# Altium PCB AC_controller_v1_1.PcbDoc (part 2 of 2)
Units mm, origin at the board's own origin, x right, y up, seen from the top; angles counter-clockwise.
Board outline 100 x 100 mm, 2 copper layers (Top Layer, Bottom Layer), stack 1.671 mm thick; 108 components, 91 nets, 359 pads, 49 vias.
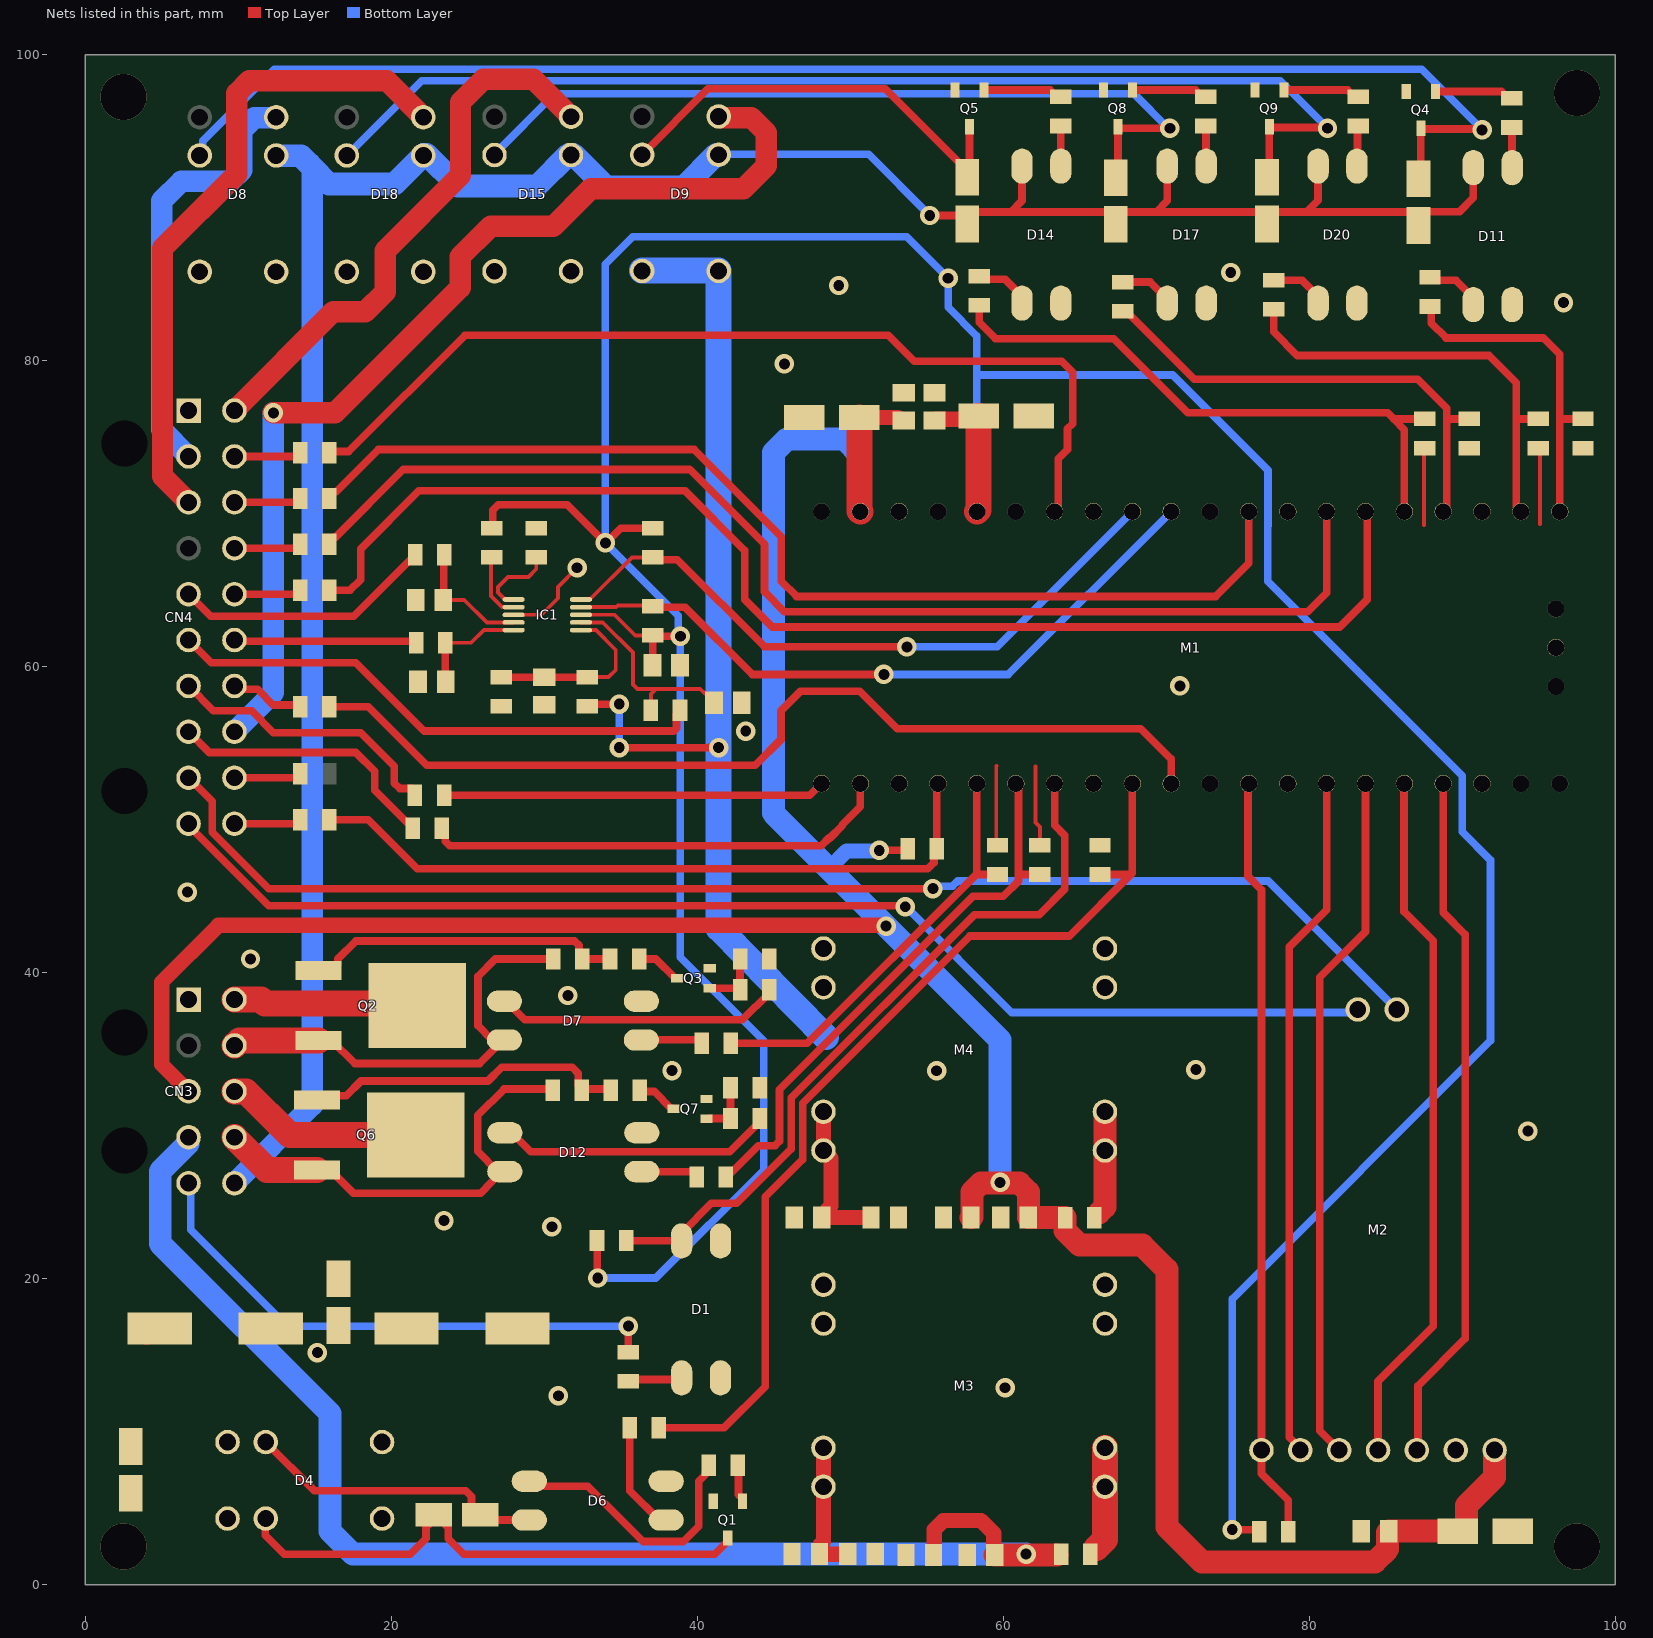
[diagram p2: the nets of this part, all layers, seen from the top]

## Part data
C1 C7 C8: library part 01_01399, "ELCO 20%", Manufacturer=Nichicon, Manufacturer PN=UWF1C100MCL1GB, Supplier Part Number 1=647-UWF1C100MCL1GB, Value1=10u, Value2=16V, AutoId=1399, ComponentLink1Description=Datasheet, ComponentLink1URL=X:\01_Datasheets\CAP_NICHICON_UWF1C100MCL1GB.pdf, DeviceType=capacitor, Id=01_01399, MountType=SMT, Status="2 - Checked and Approved", SubType=Electrolyte, Supplier 1=Farnell
C2 C3 C9 C10 C16 C18 C19 C20: library part 01_00637, "X7R 10% 0805", Manufacturer=KEMET, Manufacturer PN=C0805C104K9RACTU, Supplier Part Number 1=80-C0805C104K9R, Value1=100n, Value2=6V3, AutoId=637, ComponentLink1Description=Datasheet, ComponentLink1URL=X:\01_Datasheets\CAP_KEMET_CxxxxCxxxXxRAC.pdf, DeviceType=capacitor, Id=01_00637, MountType=SMT, Status="2 - Checked and Approved", SubType=Ceramic, Supplier 1=Farnell
C4 C5 C6 C21: library part 01_11496, Manufacturer=Hitano, Manufacturer PN=0805B105K160N3, Value1=1u, Value2=16V, Value3=X7R, AutoId=1562, ComponentLink1Description=Datasheet, ComponentLink1URL=X:\01_Datasheets\, DeviceType=capacitor, Id=01_11496, MountType=SMT, Status="0 - Unchecked", SubType=Ceramic, Supplier 1=Farnell
C11 C12: library part 01_01471, "PANASONIC - EEEFC1E101AP - CAP, ALU ELEC, 100UF, 25V, SMD, REEL", Manufacturer=Panasonic, Manufacturer PN=EEEFC1E101AP, Supplier Part Number 1=2254349, Value1=100u, Value2=25V, AutoId=1471, ComponentLink1Description=Datasheet, ComponentLink1URL=X:\01_dataSheets\CAP_PANASONIC_EEUFCXXXXXX.pdf, DeviceType=capacitor, Id=01_01471, MountType=SMD, Status="0 - Unchecked", SubType=Electrolyte, Supplier 1=Farnell
C13 C14 C15 C17: library part 01_01402, "X7R 10% 0805", Manufacturer=MURATA, Manufacturer PN=GRM21BR71C475KA73L, Supplier Part Number 1=1797015, Value1=4u7, Value2=16V, AutoId=1402, ComponentLink1Description=Datasheet, ComponentLink1URL=X:\01_DataSheets\CAP_MURATA_GRM.pdf, DeviceType=capacitor, Id=01_01402, MountType=SMD, Status="2 - Checked and Approved", SubType=Ceramic, Supplier 1=Farnell
CN3: library part 02_10137, "Molex, Micro-Fit 3.0, 43045, 10 Way, 2 Row, Right Angle PCB Header", Manufacturer=Molex, Manufacturer PN=43045-1000, Supplier Part Number 1=00-00041120, Value1=CN_10pin_MFGK-10, Value2="10 pin", Value3="3.0 mm", AutoId=179, ComponentLink1Description=Datasheet, ComponentLink1URL=X:\01_Datasheets\CN_molex_micro_fit_430045.pdf, ComponentLink2Description=ComponentVerificationSheet, ComponentLink2URL=X:\02_ComponentVerificationSheets\, DeviceType=Connector_, Id=02_10137, MountType=SMT, Supplier 1=kosmodrom.ua
CN4: library part 02_10136, "Molex, Micro-Fit 3.0, 43045, 20 Way, 2 Row, Right Angle PCB Header", Manufacturer=Molex, Manufacturer PN=43045-2000, Supplier Part Number 1=00-00041123, Value1=CN_20pin_MFGK-20, Value2="20 pin", Value3="3.0 mm", AutoId=177, ComponentLink1Description=Datasheet, ComponentLink1URL=X:\01_Datasheets\CN_molex_micro_fit_430045.pdf, ComponentLink2Description=ComponentVerificationSheet, ComponentLink2URL=X:\02_ComponentVerificationSheets\, DeviceType=Connector_, Id=02_10136, MountType=SMT, Supplier 1=kosmodrom.ua
D1 D6 D7 D11 D12 D14 D17 D20: library part 07_00275, "Transistor Output Optocouplers Optocoupler Phototrans", Manufacturer=Lite-On, Manufacturer PN=LTV-817S, Supplier Part Number 1=859-LTV-817S, Value2=Optocouplers, AutoId=276, ComponentLink1Description=Datasheet, ComponentLink1URL=X:\01_Datasheets\IC_Lite_On_LTV-817S.pdf, ComponentLink2Description=ComponentVerificationSheet, ComponentLink2URL=X:\02_ComponentVerificationSheets\, DeviceType=Optocouple, Id=07_00275, MountType=SMT, Status="0 - Unchecked", Supplier 1=Mouser, Value1=LTV-817S, Value3=Optocouplers
D2 D3: library part 03_00100, "Transient Voltage Suppressors", Manufacturer=Littelfuse, Manufacturer PN=SMAJ15A, Value2="15Vr 400W 16.4A", Value3=TVS, AutoId=118, ComponentLink1Description=Datasheet, ComponentLink1URL=X:\01_Datasheets\DIO_Littelfuse_SMAJ58A.pdf, ComponentLink2Description=ComponentVerificationSheet, ComponentLink2URL=X:\02_ComponentVerificationSheets\, DeviceType=diode, Id=03_00100, MountType=SMD, Status="0 - Unchecked", Supplier Part Number 1=SMAJ15A, Value1=SMAJ15A
D4 D8 D9 D15 D18: library part 09_0010, "Small relay 6 pins 12V, 2A", Manufacturer=KJS, Value1=n/a, AutoId=10, ComponentLink1Description=Datasheet, ComponentLink1URL=X:\01_Datasheets\MCH_BSC_SS_112L.pdf, ComponentLink2Description=ComponentVerificationSheet, ComponentLink2URL=X:\02_ComponentVerificationSheets\, Id=09_0010, Value2=n/a
D5 D10 D13 D16 D19: library part 03_00099, "M7 Diode, max 30A", Manufacturer PN=1N4007, Value2="1A, 400V", Value3=M7, AutoId=117, ComponentLink1Description=Datasheet, ComponentLink1URL=X:\01_Datasheets\, ComponentLink2Description=ComponentVerificationSheet, ComponentLink2URL=X:\02_ComponentVerificationSheets\, DeviceType=diode, Id=03_00099, Value1=1N4007
IC1: library part 07_00293, "Analog to Digital Converters - ADC 16B ADC w/ Int MUX PGA Comp Osc & Ref", Manufacturer="Texas Instruments", Manufacturer PN=ADS1115IDGSR, Value2="10 pin I2C ADC", AutoId=300, ComponentLink1Description=Datasheet, ComponentLink1URL=X:\01_Datasheets\ads1115.pdf, ComponentLink2Description=ComponentVerificationSheet, ComponentLink2URL=X:\02_ComponentVerificationSheets\, DeviceType=IC, Id=07_00293, MountType=SMT, Status="0 - Unchecked", Value1=ADS1115IDGSR
M1: library part 12_00158, "Single Board Computers Raspberry Pi Pico", Manufacturer="Raspberry Pi", Manufacturer PN=SC0915, Supplier Part Number 1=358-SC0915, Value1="Raspberry Pi Pico", Value2=RP2040, Value3="ARM Cortex M0", AutoId=169, ComponentLink1Description=Datasheet, ComponentLink1URL=X:\01_Datasheets\Raspberry_Pi_Pico.pdf, ComponentLink2Description=ComponentVerificationSheet, ComponentLink2URL=X:\02_ComponentVerificationSheets\, DeviceType=misc, Id=12_00158, MountType=SMT, Supplier 1=Mouser
M2: library part 12_00161, "CAN bus  module", Manufacturer=CH, Value1=MCP2515, Value2=Module, AutoId=172, ComponentLink1Description=Datasheet, ComponentLink1URL=X:\01_Datasheets\, ComponentLink2Description=ComponentVerificationSheet, ComponentLink2URL=X:\02_ComponentVerificationSheets\, DeviceType=misc, Id=12_00161, MountType=THD, Status="0 - Unchecked", Supplier 1=Arduino.ua
M3 M4: library part 12_00162, "DC-DC converter 3A", Manufacturer=CH, Value2=Module, AutoId=173, ComponentLink1Description=Datasheet, ComponentLink1URL=X:\01_Datasheets\, ComponentLink2Description=ComponentVerificationSheet, ComponentLink2URL=X:\02_ComponentVerificationSheets\, DeviceType=misc, Id=12_00162, MountType=THD, Status="0 - Unchecked", Supplier 1=Arduino.ua, Value1=MOD_MP1584_3A
Q1 Q4 Q5 Q8 Q9: library part 19_00039, "Bipolar Transistors - BJT NPN 45V 100mA", Manufacturer=NXP, Manufacturer PN=BC847B,215, Supplier Part Number 1=771-BC847B-T/R, Value1=BC847B, Value2="45V 0,1A", AutoId=39, ComponentLink1Description=Datasheet, ComponentLink1URL=X:\01_Datasheets\TRS_NXP_BC847.pdf, ComponentLink2Description=ComponentVerificationSheet, ComponentLink2URL=X:\02_ComponentVerificationSheets\, DeviceType=transistor, Id=19_00039, MountType=SMD, Status="0 - Unchecked", SubType=NPN, Supplier 1=Mouser
Q2 Q6: library part 19_00048, "30V P-Channel MOSFET", Manufacturer="Alpha & Omega", Manufacturer PN=AOD403, Value2="30V, 70A", AutoId=54, ComponentLink1Description=Datasheet, ComponentLink1URL=X:\01_Datasheets\AOD403.pdf, ComponentLink2Description=ComponentVerificationSheet, ComponentLink2URL=X:\02_ComponentVerificationSheets\, DeviceType=transistor, Id=19_00048, MountType=SMT, Status="0 - Unchecked", SubType="P MOSFET", Value1=AOD403
Q3 Q7: library part 19_00024, "NXP - 2N7002BKW - MOSFET, N CH, 60V, 0.31A, SOT323", Manufacturer=NXP, Manufacturer PN=2N7002BKW, Supplier Part Number 1=1894713RL, Value2=n/a, AutoId=24, ComponentLink1Description=Datasheet, ComponentLink1URL=X:\01_dataSheets\TRS_NXP_2N7002BKW.pdf, ComponentLink2Description=ComponentVerificationSheet, ComponentLink2URL=X:\02_ComponentVerificationSheets\, DeviceType=transistor, Id=19_00024, MountType=SMD, Status="2 - Checked and Approved", SubType=MOSFET, Supplier 1=Farnell, Value1=2N7002BKW
R1 R16 R17 R23 R24 R25 R28 R32 R33 R34 R35: library part 15_00329, "RESISTOR, 0805, 1K, 1%, SMD", Manufacturer=Yageo, Manufacturer PN=RC0805FR-071K, Supplier Part Number 1=9237496, Value1=1K, Value2=0W125, AutoId=329, ComponentLink1Description=Datasheet, ComponentLink1URL=X:\01_Datasheets\RES_YAGEO_RC0805FR.pdf, DeviceType=resistor, MountType=SMT, Status="2 - Checked and Approved", SubType="Metal film", Supplier 1=Farnell
  R1: Id=15_00341
  R16 R17 R23 R24 R25 R28 R32 R33 R34 R35: Id=15_00329
R2 R4 R7 R8 R9 R11 R12 R13 R19 R22 R27 R31 R47 R48 R49 R50 R51 R52 R53: library part 15_00341, "RESISTOR, 0805, 10K, 1%, SMD", Manufacturer=Yageo, Manufacturer PN=RC0805FR-0710K, Value1=10K, Value2=0W125, AutoId=341, ComponentLink1Description=Datasheet, ComponentLink1URL=X:\01_Datasheets\RES_YAGEO_RC0805FR.pdf, DeviceType=resistor, Id=15_00341, MountType=SMT, Status="0 - Unchecked", SubType="Metal film", Supplier 1=Farnell
R3: library part 15_00337, "RESISTOR, 0805, 4K7, 1%, SMD", Manufacturer=Yageo, Manufacturer PN=RC0805FR-074K7, Supplier Part Number 1=9237704, Value1=4K7, Value2=0W125, AutoId=337, ComponentLink1Description=Datasheet, ComponentLink1URL=X:\01_Datasheets\RES_YAGEO_RC0805FR.pdf, DeviceType=resistor, Id=15_00337, MountType=SMT, Status="2 - Checked and Approved", SubType="Metal film", Supplier 1=Farnell
R5: library part 15_00353, "RESISTOR, 0805, 100K, 1%, SMD", Manufacturer=Yageo, Manufacturer PN=RC0805FR-07100K, Value1=10K, Value2=0W125, AutoId=353, ComponentLink1Description=Datasheet, ComponentLink1URL=X:\01_Datasheets\RES_YAGEO_RC0805FR.pdf, DeviceType=resistor, Id=15_00353, MountType=SMT, Status="0 - Unchecked", SubType="Metal film", Supplier 1=Farnell
R6 R10: library part 15_00353, "RESISTOR, 0805, 100K, 1%, SMD", Manufacturer=Yageo, Manufacturer PN=RC0805FR-07100K, Value1=100K, Value2=0W125, AutoId=353, ComponentLink1Description=Datasheet, ComponentLink1URL=X:\01_Datasheets\RES_YAGEO_RC0805FR.pdf, DeviceType=resistor, Id=15_00353, MountType=SMT, Status="0 - Unchecked", SubType="Metal film", Supplier 1=Farnell
R14 R15: library part 15_00632, "Thick Film Resistors - SMD ZERO OHM JUMPER 1/8watt", Manufacturer=Vishay, Manufacturer PN=RCG08050000Z0EA`, Supplier Part Number 1=71-RCG08050000Z0EA, Value1=0R, Value2=125mW, AutoId=632, ComponentLink1Description=Datasheet, ComponentLink1URL=X:\01_Datasheets\, DeviceType=resistor, Footprint4=n/a, Id=15_00632, MountType=SMT, Status="0 - Unchecked", Supplier 1=Mouser
R18 R20 R21 R26 R29 R30 R36 R37 R38 R39 R40 R43 R44 R45 R46: library part 15_00317, "RESISTOR, 0805, 100R, 1%, SMD", Manufacturer=Yageo, Manufacturer PN=RC0805FR-07100R, Supplier Part Number 1=9237364, Value1=100R, Value2=0W125, AutoId=317, ComponentLink1Description=Datasheet, ComponentLink1URL=X:\01_Datasheets\RES_YAGEO_RC0805FR.pdf, DeviceType=resistor, Id=15_00317, MountType=SMT, Status="2 - Checked and Approved", SubType="Metal film", Supplier 1=Farnell

## Via types
v1: diameter 1.27, hole 0.711, Top Layer to Bottom Layer, 41 vias
v2: diameter 3.5, hole 2.1, Top Layer to Bottom Layer, 4 vias
v3: diameter 3, hole 3, Top Layer to Bottom Layer, 4 vias

## Nets (pads, with @x,y where several pads share a name; then routed paths per layer and width w, separated by ;. In a path a pad name is that pad's centre, name@x,y a point inside that pad or via, vN(x,y) a via of type N, cw(c..) or ccw(c..) an arc to the next point about the centre after c; other vN are vias at no path point)
3V3-OUT: C3.2 C8.1 C10.2 IC1.8 M1.36 R2.2 R4.2 R7.2 R8.2 R9.2 | length 257.5
  Top Layer w0.254: IC1.8@32.4,63.4 34.6,63.4 35.95,62.05 R8.2@37.1,62.05
  Top Layer w0.5: R9.2@26.575,69.05 26.625,69.1 26.625,70.225 27,70.6 31.5,70.6 v1(34,68.1) 34.059,68.1 35.009,69.05 R7.2@37.1,69.05 ; R2.2@33.45,22.5 33.475,22.475 33.475,20.075 v1(33.5,20.05) ; C3.2@37.1,59.9 R8.2@37.1,62.05 37.15,62 v1(38.9,62) ; v1(74.975,3.6) R4.2@76.725,3.6
  Top Layer w1: C10.2@55.5,76.1 55.575,76.175 58.175,76.175 C8.1@58.4,76.4
  Top Layer w1.7: M1.36@58.28,70.14 58.4,70.26 C8.1@58.4,76.4
  Bottom Layer w0.5: v1(33.5,20.05) 37.3,20.05 44.357,27.107 44.357,35.568 38.9,41.025 v1(38.9,62) 38.753,62.147 38.753,63.347 v1(34,68.1) 34,86.3 35.8,88.1 53.7,88.1 v1(56.4,85.4) 56.4,83.5 58.28,81.62 58.28,79.075 ; M1.36@58.28,70.14 58.28,79.075 ; v1(74.975,3.6) 74.975,18.675 91.85,35.55 91.85,47.374 90.01,49.214 90.01,52.89 77.3,65.6 77.3,69.224 77.31,69.234 77.31,72.858 71.093,79.075 58.28,79.075
5v: C1.1 C2.2 C7.1 C9.2 C15.1 C20.2 CN3.3 M1.39 M2.7 R3.2 R15.2 | length 198.6
  Top Layer w0.5: v1(51.9,48) R3.2@53.75,48
  Top Layer w1: CN3.3@6.75,32.25 5,34 5,39.4 8.7,43.1 52.3,43.1 v1(52.35,43.05) ; C7.1@50.6,76.3 53.15,76.3 53.35,76.1 C9.2@53.5,76.1
  Top Layer w1.5: C15.1@57.9,24 57.95,24.05 57.95,25.664 58.536,26.25 61.064,26.25 61.65,25.664 C20.2@61.65,24 ; C20.2@61.653,24.003 R15.2@64.047,24.003 ; R15.2@64.05,24 64.05,23.15 65,22.2 69.1,22.2 70.7,20.6 70.7,3.786 72.986,1.5 84.3,1.5 85.125,2.325 85.125,3.425 C2.2@85.2,3.5 ; C2.2@85.4,3.5 C1.1@89.7,3.5 90.2,3.5 90.275,3.575 90.275,5.175 92.12,7.02 M2.7@92.12,8.8
  Top Layer w1.7: C7.1@50.6,76.3 50.6,70.2 M1.39@50.66,70.14
  Bottom Layer w1: 48.6,46.8 49.765,47.965 51.865,47.965 v1(51.9,48)
  Bottom Layer w1.5: 45,50.45 45,74.021 45.879,74.9 49.6,74.9 50.66,73.84 M1.39@50.66,70.14 ; 45.046,50.354 48.6,46.8 59.8,35.6 v1(59.8,26.3)
6V: C17.2 C18.2 CN3.4 R14.2 | length 88.9
  Top Layer w1: C17.2@55.45,1.95 55.5,2 55.5,3.614 56.086,4.2 58.55,4.2 59.375,3.375 59.375,2.025 C18.2@59.45,1.95
  Top Layer w1.5: C18.2@59.45,1.95 R14.2@63.525,1.95
  Bottom Layer w1.5: CN3.4@6.744,29.217 6.731,29.204 6.731,28.847 4.9,27.016 4.9,22.3 16,11.2 16,3.5 17.5,2 v1(61.5,2)
ACC-control: D1.4 M1.7 R2.1 | length 47.6
  Top Layer w0.5: R2.1@35.35,22.5 35.362,22.488 38.967,22.488 D1.4@38.98,22.475 38.98,22.98 40.925,24.925 42.591,24.925 46.15,28.484 46.15,31.825 58.125,43.8 62.35,43.8 64.025,45.475 64.025,48.975 63.36,49.64 M1.7@63.36,52.36
ACC-IN: C11.1 CN3.5 D2.2 D4.4 R1.2 | length 37
  Top Layer w0.5: R1.2@35.5,15.2 v1(35.5,16.9)
  Top Layer w1.7: C11.1@4,16.55 4.2,16.75 C11.1@4.875,16.75
  Bottom Layer w0.5: CN3.5@6.75,26.25 6.9,26.1 6.9,23.2 13.2,16.9 v1(35.5,16.9)
ADC-SCL: IC1.10 M1.32 R7.1 | length 43.3
  Top Layer w0.254: IC1.10@32.4,64.4 32.975,64.4 35.725,67.15 R7.1@37.1,67.15
  Top Layer w0.5: R7.1@37.1,67.15 37.25,67 38.7,67 44.4,61.3 v1(53.7,61.3)
  Bottom Layer w0.5: v1(53.7,61.3) 59.6,61.3 M1.32@68.44,70.14
ADC-SDA: IC1.9 M1.31 R8.1 | length 44.9
  Top Layer w0.254: IC1.9@32.4,63.9 34.707,63.9 34.807,64 37.1,64 R8.1@37.1,63.95
  Top Layer w0.5: R8.1@37.1,63.95 37.15,63.9 39.2,63.9 43.6,59.5 v1(52.2,59.5)
  Bottom Layer w0.5: v1(52.2,59.5) 60.34,59.5 M1.31@70.98,70.14
CAN-CS: M1.17 M2.5 | length 45.5
  Top Layer w0.5: M2.5@87.04,8.8 87.116,8.876 87.116,13.016 90.2,16.1 90.2,42.5 88.76,43.94 M1.17@88.76,52.36
CAN-INT: M1.12 M2.1 R4.1 | length 49.9
  Top Layer w0.5: M1.12@76.06,52.36 76,52.3 76,46.3 76.88,45.42 76.88,7.27 78.64,5.51 78.64,3.615 R4.1@78.625,3.6
CAN-SCK: M1.14 M2.2 | length 44.9
  Top Layer w0.5: M2.2@79.42,8.8 79.42,8.923 78.7,9.643 78.7,41.686 81.14,44.126 M1.14@81.14,52.36
CAN-SI: M1.15 M2.3 | length 45.3
  Top Layer w0.5: M2.3@81.96,8.8 80.7,10.06 80.7,39.7 83.68,42.68 M1.15@83.68,52.36
CAN-SO: M1.16 M2.4 | length 45.8
  Top Layer w0.5: M2.4@84.5,8.8 84.5,13.3 88.1,16.9 88.1,42.1 86.2,44 86.2,52.34 M1.16@86.22,52.36
GND: C1.2 C2.1 C3.1 C4.1 C5.1 C6.1 C7.2 C8.2 C9.1 C10.1 C11.2 C12.2 C13.2 C14.2 C15.2 C16.1 C17.1 C18.1 C19.1 C20.1 C21.1 CN3.1 CN4.1 D1.2 D1.3 D2.1 D3.1 D6.2 D7.2 D8.1 D8.6 D11.2 D12.2 D14.2 D15.1 D15.6 D17.2 D18.1 D18.6 D20.2 IC1.3 M1.3 M1.8 M1.13 M1.18 M1.23 M1.28 M1.33 M1.38 M1.42 M2.6 M3.3 M3.4 M3.5 M3.6 M4.3 M4.4 M4.5 M4.6 Q1.2 Q3.2 Q4.2 Q5.2 Q7.2 Q8.2 Q9.2 R10.1 R12.1 R22.1 R31.1 R47.2 R48.2 R49.2 R50.2 R51.2 R52.2 R53.2 | length 26.5
  Top Layer w0.254: IC1.3@28,63.4 29.825,63.4 30.903,64.478 30.903,65.228 v1(32.15,66.475) ; 59.55,53.525 59.543,53.518 59.543,48.407 R47.2@59.625,48.325 ; 62.1,53.5 62.1,49.826 62.4,49.526 R50.2@62.4,48.325 ; 87.5,69.275 87.5,74.25 R49.2@87.55,74.3 ; R52.2@94.975,74.3 95.1,74.175 95.1,69.325
  other v1: 30.925,12.35 60.125,12.875 15.177,15.177 30.5,23.4 23.45,23.8 94.3,29.65 38.352,33.602 55.65,33.6 72.6,33.675 31.544,38.516 10.8,40.9 6.675,45.275 43.175,55.8 71.55,58.75 45.7,79.8 96.625,83.8 49.25,84.925 74.875,85.775
  other v3: 2.5,2.5 97.5,2.5 2.5,97.25 97.5,97.5
Heat-L-out: CN3.10 Q2.2 | length 11.9
  Top Layer w1.7: CN3.10@9.75,38.25 11.5,38.25 11.75,38 Q2.2@21.56,38
Heat-R-out: CN3.8 Q6.2 | length 16.7
  Top Layer w0.5: Q6.2@22.025,29.4 Q6.2@21.6,29.4 Q6.2@23.87,27.13
  Top Layer w1.7: CN3.8@9.75,32.25 10.5,32.25 13.35,29.4 Q6.2@21.6,29.4
NetC4_2: C4.2 IC1.6 R6.1 R10.2 | length 11.8
  Top Layer w0.254: IC1.6@32.4,62.4 33.375,62.4 34.675,61.1 34.675,59.8 34.2,59.325 R6.1@32.8,59.325
  Top Layer w0.5: R10.2@27.2,59.325 C4.2@30,59.325 R6.1@32.8,59.325
NetC5_2: C5.2 IC1.5 R11.1 | length 7.4
  Top Layer w0.254: R11.1@23.525,61.575 25.226,61.575 26.051,62.4 IC1.5@28,62.4
  Top Layer w0.5: R11.1@23.525,61.575 23.538,61.562 23.538,59.037 C5.2@23.55,59.025
NetC6_2: C6.2 IC1.4 R13.1 | length 8.2
  Top Layer w0.254: C6.2@23.4,64.375 24.775,64.375 26.25,62.9 IC1.4@28,62.9
  Top Layer w0.5: C6.2@23.4,64.375 23.438,64.413 23.438,67.288 R13.1@23.475,67.325
NetC21_2: C21.2 IC1.7 R5.1 | length 13.7
  Top Layer w0.254: IC1.7@32.4,62.9 33.825,62.9 35.8,60.925 35.8,58.85 36.1,58.55 37.3,58.55 ; R5.1@36.975,57.15 36.975,58.225 37.3,58.55 ; C21.2@41.1,57.65 41.1,57.8 40.652,58.248 40.502,58.248 40.2,58.55 37.3,58.55
NetCN4_2: CN4.2 D8.3 | length 28.7
  Bottom Layer w1.4: CN4.2@6.75,73.75 5,75.5 5,90.455 6.27,91.725 9.5,91.725 10.225,92.45 10.225,95.067 11.045,95.887 12.437,95.887 D8.3@12.475,95.925
NetCN4_3: CN4.3 D18.3 | length 43
  Top Layer w1.4: CN4.3@6.75,70.75 5.05,72.45 5.05,87.35 9.9,92.2 9.9,97.48 10.72,98.3 19.725,98.3 D18.3@22.1,95.925
NetCN4_5: CN4.5 R13.2 | length 17.1
  Top Layer w0.5: CN4.5@6.75,64.75 8.205,63.295 17.545,63.295 R13.2@21.575,67.325
NetCN4_6: CN4.6 R5.2 | length 35.7
  Top Layer w0.5: CN4.6@6.75,61.75 8.225,60.275 17.675,60.275 22.15,55.8 38.45,55.8 38.65,56 38.65,56.925 R5.2@38.875,57.15
NetCN4_7: CN4.7 R39.1 | length 18.5
  Top Layer w0.5: CN4.7@6.75,58.75 8.38,57.12 10.88,57.12 12.3,55.7 18,55.7 20.2,53.5 20.2,52.4 20.55,52.05 21.325,52.05 21.55,51.825 R39.1@21.55,51.6
NetCN4_8: CN4.8 R38.1 | length 18
  Top Layer w0.5: CN4.8@6.75,55.75 8.1,54.4 17.684,54.4 18.923,53.16 18.923,51.927 R38.1@21.4,49.45
NetCN4_9: CN4.9 M2.8 | length 86.8
  Top Layer w0.5: CN4.9@6.75,52.75 8.3,51.2 8.3,49.2 12,45.5 v1(55.4,45.5)
  Bottom Layer w0.5: v1(55.4,45.5) 55.547,45.647 56.682,45.647 57.035,46 77.32,46 M2.8@85.72,37.6
NetCN4_10: CN4.10 M2.9 | length 81.7
  Top Layer w0.5: CN4.10@6.75,49.75 6.75,49.619 11.984,44.385 53.53,44.385 v1(53.6,44.315)
  Bottom Layer w0.5: v1(53.6,44.315) 53.646,44.315 60.561,37.4 82.98,37.4 M2.9@83.18,37.6
NetCN4_11: CN4.11 R36.1 | length 4.4
  Top Layer w0.5: CN4.11@9.75,49.75 13.825,49.75 14.05,49.975 R36.1@14.05,50
NetCN4_12: CN4.12 R37.1 | length 4.4
  Top Layer w0.5: CN4.12@9.75,52.75 13.825,52.75 14.05,52.975 R37.1@14.05,53
NetCN4_13: CN4.13 D9.3 | length 67.7
  Top Layer w1.4: v1(12.3,76.6) 16.325,76.6 24.5,84.775 24.5,86.8 26.5,88.8 30.6,88.8 33.05,91.25 43.025,91.25 44.525,92.75 44.525,94.9 43.525,95.9 41.475,95.9 D9.3@41.4,95.975
  Bottom Layer w1.4: CN4.13@9.75,55.75 12.3,58.3 v1(12.3,76.6)
NetCN4_14: CN4.14 R40.1 | length 4.9
  Top Layer w0.5: CN4.14@9.75,58.75 9.96,58.54 11.26,58.54 12.3,57.5 13.95,57.5 R40.1@14.05,57.4
NetCN4_15: CN4.15 R11.2 | length 11.9
  Top Layer w0.5: CN4.15@9.75,61.75 9.837,61.663 21.537,61.663 R11.2@21.625,61.575
NetCN4_16: CN4.16 R43.1 | length 4.4
  Top Layer w0.5: CN4.16@9.75,64.75 13.825,64.75 14.05,64.975 R43.1@14.05,65
NetCN4_17: CN4.17 R44.1 | length 4.4
  Top Layer w0.5: CN4.17@9.75,67.75 13.825,67.75 14.05,67.975 R44.1@14.05,68
NetCN4_18: CN4.18 R45.1 | length 4.4
  Top Layer w0.5: CN4.18@9.75,70.75 13.825,70.75 14.05,70.975 R45.1@14.05,71
NetCN4_19: CN4.19 R46.1 | length 4.4
  Top Layer w0.5: CN4.19@9.75,73.75 13.825,73.75 14.05,73.975 R46.1@14.05,74
NetCN4_20: CN4.20 D15.3 | length 36.4
  Top Layer w1.4: CN4.20@9.75,76.75 16.2,83.2 18.3,83.2 19.6,84.5 19.6,87.2 24.525,92.125 24.525,96.9 26.025,98.4 29.3,98.4 D15.3@31.75,95.95
NetD1_1: D1.1 R1.1 | length 3.6
  Top Layer w0.5: R1.1@35.5,13.3 35.613,13.413 38.868,13.413 D1.1@38.98,13.525
NetD4_5: D4.5 D5.1 Q1.3 | length 35.2
  Top Layer w0.5: D4.5@11.75,4.4 11.771,4.379 11.771,3.229 13,2 21.25,2 22.268,3.018 22.268,3.725 22.793,4.25 23.207,4.25 23.732,3.725 23.732,3.018 24.75,2 41.15,2 41.95,2.8 41.95,3 Q1.3@42,3.05
NetD6_1: D6.1 R16.1 | length 7.3
  Top Layer w0.5: R16.1@35.6,10.25 35.6,6.155 37.525,4.23 D6.1@37.975,4.23
NetD6_3: D6.3 R17.2 | length 17.2
  Top Layer w0.5: D6.3@29.025,6.77 29.719,6.77 30.045,6.444 32.853,6.444 36.474,2.823 39.098,2.823 40.1,3.825 40.1,6.757 40.525,7.182 40.525,7.35 40.671,7.496 R17.2@40.796,7.496
NetD7_1: D7.1 R18.2 | length 4
  Top Layer w0.5: D7.1@36.35,35.63 40.075,35.63 40.3,35.405 R18.2@40.3,35.4
NetD7_3: D7.3 R21.1 | length 19.1
  Top Layer w0.5: D7.3@27.025,38.17 27.475,38.17 28.725,36.92 42.945,36.92 44.7,38.675 R21.1@44.7,38.9
NetD8_5: D8.5 D10.1 Q4.3 | length 95.6
  Top Layer w0.5: D10.1@87.15,91.9 87.3,92.05 Q4.3@87.3,95.2 87.35,95.15 91.25,95.15 v1(91.3,95.1)
  Bottom Layer w0.5: D8.5@7.475,93.425 7.685,93.635 7.685,94.368 12.368,99.05 87.35,99.05 v1(91.3,95.1)
NetD9_5: D9.5 D13.1 Q5.3 | length 28.4
  Top Layer w0.5: D9.5@36.4,93.475 40.7,97.775 52.3,97.775 57.65,92.425 D13.1@57.65,92 ; D13.1@57.8,92.525 Q5.3@57.8,95.3
NetD11_1: D11.1 R23.1 | length 3.8
  Top Layer w0.5: R23.1@87.9,85.45 88.089,85.261 89.594,85.261 90.73,84.125 D11.1@90.73,83.675
NetD11_3: D11.3 R24.2 | length 2.6
  Top Layer w0.5: R24.2@93.25,95.25 93.26,95.24 93.26,92.635 D11.3@93.27,92.625
NetD12_1: D12.1 R26.2 | length 3.6
  Top Layer w0.5: D12.1@36.375,27.005 39.75,27.005 R26.2@39.975,26.9
NetD12_3: D12.3 R30.2 | length 18.2
  Top Layer w0.5: D12.3@27.425,29.545 27.875,29.545 29.12,28.3 42.125,28.3 44.075,30.25 R30.2@44.075,30.475
NetD14_1: D14.1 R25.1 | length 3.8
  Top Layer w0.5: R25.1@58.425,85.525 58.614,85.336 60.119,85.336 61.23,84.225 D14.1@61.23,83.775
NetD14_3: D14.3 R28.2 | length 2.6
  Top Layer w0.5: R28.2@63.75,95.35 63.76,95.34 63.76,92.735 D14.3@63.77,92.725
NetD15_5: D15.5 D16.1 Q8.3 | length 53.5
  Top Layer w0.5: D16.1@67.35,91.975 67.5,92.125 Q8.3@67.5,95.25 ; Q8.3@67.5,95.3 Q8.3@67.5,95.25 ; v1(70.9,95.2) 67.55,95.2 Q8.3@67.5,95.25
  Bottom Layer w0.5: D15.5@26.75,93.5 30.7,97.45 68.55,97.45 70.8,95.2 v1(70.9,95.2)
NetD17_1: D17.1 R32.1 | length 3.6
  Top Layer w0.5: R32.1@67.825,85.15 69.604,85.15 70.73,84.024 D17.1@70.73,83.775
NetD17_3: D17.3 R33.2 | length 2.6
  Top Layer w0.5: R33.2@73.25,95.35 73.26,95.34 73.26,92.735 D17.3@73.27,92.725
NetD18_5: D18.5 D19.1 Q9.3 | length 73.7
  Top Layer w0.5: D19.1@77.35,92.775 77.4,92.825 Q9.3@77.4,95.3 77.45,95.25 81.15,95.25 v1(81.2,95.2)
  Bottom Layer w0.5: D18.5@17.15,93.5 17.2,93.5 22,98.3 78.1,98.3 v1(81.2,95.2)
NetD20_1: D20.1 R34.1 | length 3.8
  Top Layer w0.5: R34.1@77.675,85.275 79.53,85.275 80.58,84.225 D20.1@80.58,83.775
NetD20_3: D20.3 R35.2 | length 2.7
  Top Layer w0.5: D20.3@83.12,92.725 83.16,92.765 83.16,95.31 R35.2@83.2,95.35
NetIC1_1: IC1.1 R12.2 | length 5.3
  Top Layer w0.254: IC1.1@28,64.4 27.425,64.4 26.975,64.85 26.975,65.225 27.625,65.875 28.975,65.875 29.475,66.375 R12.2@29.475,67.15
NetIC1_2: IC1.2 R9.1 | length 4.3
  Top Layer w0.254: R9.1@26.575,67.15 26.521,67.096 26.521,64.629 27.242,63.909 27.991,63.909 IC1.2@28,63.9
NetM1_1: M1.1 R39.2 | length 25
  Top Layer w0.5: R39.2@23.45,51.6 47.36,51.6 M1.1@48.12,52.36
NetM1_2: M1.2 R38.2 | length 30.8
  Top Layer w0.5: R38.2@23.3,49.45 23.525,49.225 23.525,48.593 23.818,48.3 48.104,48.3 48.614,48.81 48.679,48.81 49.47,49.601 49.47,49.666 50.66,50.856 M1.2@50.66,52.36
NetM1_5: M1.5 R18.1 R47.1 | length 27.4
  Top Layer w0.5: 42.7,35.4 47.2,35.4 58.225,46.425 ; M1.5@58.28,52.36 58.28,46.48 58.225,46.425 ; R47.1@59.625,46.425 58.225,46.425
NetM1_6: M1.6 R26.1 R50.1 | length 36.8
  Top Layer w0.5: R26.1@42.037,26.738 44,28.7 45.082,28.7 45.375,28.993 45.375,32.35 58.025,45 60.011,45 61,45.989 61,46.4 ; M1.6@60.82,52.36 61,52.18 61,46.4 ; R50.1@62.4,46.425 61.025,46.425 61,46.4
NetM1_9: M1.9 R16.2 R53.1 | length 63.2
  Top Layer w0.5: R16.2@37.5,10.25 41.75,10.25 44.45,12.95 44.45,25.35 46.9,27.8 46.9,31.475 57.825,42.4 64.325,42.4 68.35,46.425 ; R53.1@66.325,46.425 68.35,46.425 ; M1.9@68.44,52.36 68.44,46.515 68.35,46.425
NetM1_10: M1.10 R40.2 | length 63.2
  Top Layer w0.5: R40.2@15.95,57.4 18.5,57.4 22.325,53.575 43.8,53.575 45.475,55.25 45.475,57.125 46.75,58.4 50.625,58.4 53.075,55.95 69,55.95 70.98,53.97 M1.10@70.98,52.36
NetM1_21: M1.21 R23.2 R48.1 | length 22.2
  Top Layer w0.5: R23.2@87.9,83.55 87.975,83.475 87.975,82.468 88.946,81.496 95.304,81.496 96.38,80.42 96.38,76.225 ; M1.21@96.38,70.14 96.38,76.225 ; R48.1@97.9,76.2 96.405,76.2 96.38,76.225
NetM1_22: M1.22 R34.2 R52.1 | length 28.7
  Top Layer w0.5: R34.2@77.675,83.375 77.675,81.9 79.232,80.343 91.757,80.343 91.782,80.318 93.525,78.575 93.525,76.225 ; M1.22@93.84,70.14 93.525,70.455 93.525,76.225 ; R52.1@94.975,76.2 93.55,76.2 93.525,76.225
NetM1_24: M1.24 R32.2 R51.1 | length 32.1
  Top Layer w0.5: R32.2@67.825,83.25 68.05,83.25 72.5,78.8 87.1,78.8 89,76.9 89,76.225 ; M1.24@88.76,70.14 89,70.38 89,76.225 ; R51.1@90.45,76.2 89.025,76.2 89,76.225
NetM1_25: M1.25 R25.2 R49.1 | length 39.2
  Top Layer w0.5: R25.2@58.425,83.625 58.425,82.525 59.5,81.45 67.225,81.45 72.075,76.6 85.125,76.6 85.525,76.2 ; M1.25@86.22,70.14 86.22,75.505 85.525,76.2 ; R49.1@87.55,76.2 85.525,76.2
NetM1_26: M1.26 R43.2 | length 83.8
  Top Layer w0.5: R43.2@15.95,65 17.3,65 18,65.7 18,67.7 21.8,71.5 39.2,71.5 43.1,67.6 43.1,64.4 44.9,62.6 82,62.6 83.8,64.4 83.8,70.02 M1.26@83.68,70.14
NetM1_27: M1.27 R44.2 | length 78.8
  Top Layer w0.5: R44.2@15.95,68 15.95,68.225 16.175,68.45 16.343,68.45 20.793,72.9 39.5,72.9 44.4,68 44.4,64.9 45.7,63.6 79.9,63.6 81.14,64.84 M1.27@81.14,70.14
NetM1_29: M1.29 R45.2 | length 71.5
  Top Layer w0.5: R45.2@15.95,71 15.95,71.225 16.175,71.45 16.4,71.45 19.15,74.2 39.8,74.2 45.5,68.5 45.5,65.593 46.493,64.6 73.9,64.6 76.06,66.76 M1.29@76.06,70.14
NetM1_34: M1.34 R46.2 | length 62.4
  Top Layer w0.5: R46.2@15.95,74 16.025,74.075 17.225,74.075 24.825,81.675 52.475,81.675 54.175,79.975 63.825,79.975 64.55,79.25 64.55,75.9 64.2,75.55 64.2,74.2 63.6,73.6 63.6,70.38 M1.34@63.36,70.14
NetM3_1: M3.1 M3.2 R14.1 | length 6.8
  Top Layer w1.7: R14.1@66.112,2.412 66.65,2.95 M3.1@66.65,6.41 M3.2@66.65,8.95
NetM4_1: M4.1 M4.2 R15.1 | length 6.8
  Top Layer w1.5: R15.1@66.262,24.312 66.65,24.7 M4.1@66.65,28.385 M4.2@66.65,30.925
NetQ1_1: Q1.1 R17.1 | length 2.2
  Top Layer w0.5: R17.1@42.7,7.5 42.7,5.9 42.95,5.65 Q1.1@42.95,5.45
NetQ2_1: Q2.1 R19.2 R20.2 | length 20.9
  Top Layer w0.5: Q2.1@15.25,40.15 16.125,40.15 16.5,40.525 16.5,40.9 17.675,42.075 31.982,42.075 32.275,41.782 32.275,41.125 R19.2@32.5,40.9 R20.2@34.3,40.9
NetQ3_1: Q3.1 R21.2 R22.2 | length 4
  Top Layer w0.5: Q3.1@40.825,39 42.7,39 R21.2@42.8,38.9 R22.2@42.8,40.9
NetQ3_3: Q3.3 R20.1 | length 3
  Top Layer w0.5: R20.1@36.2,40.9 37.3,40.9 38.55,39.65 Q3.3@38.675,39.65
NetQ4_1: Q4.1 R24.1 | length 5.2
  Top Layer w0.5: Q4.1@88.25,97.6 92.575,97.6 93.025,97.15 R24.1@93.25,97.15
NetQ5_1: Q5.1 R28.1 | length 5.2
  Top Layer w0.5: Q5.1@58.75,97.7 63.075,97.7 63.525,97.25 R28.1@63.75,97.25
NetQ6_1: Q6.1 R27.2 R29.2 | length 21.1
  Top Layer w0.5: Q6.1@15.15,31.69 15.423,31.963 17.063,31.963 18.025,32.925 26.325,32.925 27.225,33.825 31.825,33.825 32.232,33.418 32.232,32.618 32.45,32.4 R29.2@34.35,32.4
NetQ7_1: Q7.1 R30.1 R31.2 | length 3.6
  Top Layer w0.5: Q7.1@40.6,30.45 40.75,30.471 41.95,30.471 R30.1@42.175,30.475 R31.2@42.175,32.475
NetQ7_3: Q7.3 R29.1 | length 2.7
  Top Layer w0.5: R29.1@36.25,32.325 36.332,32.243 37.182,32.243 38.3,31.125 38.425,31.125 Q7.3@38.45,31.1
NetQ8_1: Q8.1 R33.1 | length 5
  Top Layer w0.5: Q8.1@68.45,97.7 72.575,97.7 73.025,97.25 R33.1@73.25,97.25
NetQ9_1: Q9.1 R35.1 | length 5
  Top Layer w0.5: Q9.1@78.35,97.7 82.525,97.7 82.975,97.25 R35.1@83.2,97.25
OW-Temp-sensors: M1.4 R3.1 R36.2 | length 46.3
  Top Layer w0.5: R36.2@15.95,50 18.5,50 21.7,46.8 53.462,46.8 53.466,46.796 55.071,46.796 55.475,47.2 55.475,47.825 55.65,48 55.65,52.27 M1.4@55.74,52.36
SEAT-HEAT-L-IN: CN3.9 D7.4 Q2.3 R19.1 | length 28.9
  Top Layer w0.5: Q2.3@15.25,35.57 16.125,35.57 17.62,34.075 25.775,34.075 D7.4@26.894,35.194 ; D7.4@26.819,35.269 26.819,35.63 26.575,35.63 25.675,36.53 25.675,39.775 26.8,40.9 R19.1@30.6,40.9
  Top Layer w1.7: CN3.9@9.75,35.25 10.07,35.57 Q2.3@15.25,35.57
SEAT-HEAT-R-IN: CN3.7 D12.4 Q6.3 R27.1 | length 29.7
  Top Layer w0.5: Q6.3@15.15,27.11 16.025,27.11 17.535,25.6 25.85,25.6 26.204,25.954 26.204,25.99 27.219,27.005 26.975,27.005 25.65,28.33 25.65,30.675 27.375,32.4 R27.1@30.55,32.4
  Top Layer w1.7: CN3.7@9.75,29.25 11.89,27.11 Q6.3@15.15,27.11
VCC-IN: C12.1 CN3.6 D3.2 D4.2 D4.3 D5.2 D6.4 D8.2 D9.2 D10.2 D11.4 D13.2 D14.4 D15.2 D16.2 D17.4 D18.2 D19.2 D20.4 | length 186.7
  Top Layer w0.5: D4.2@11.8,9.325 14.983,6.142 24.858,6.142 25.25,5.75 25.25,4.775 25.775,4.25 26.025,4.25 26.045,4.23 D6.4@29.025,4.23 ; v1(55.2,89.5) 57.525,89.5 57.75,89.725 60.5,89.725 ; D14.4@61.23,92.725 61.23,90.455 60.5,89.725 ; D17.4@70.73,92.725 70.73,90.455 70,89.725 ; D20.4@80.58,92.725 80.58,90.505 79.8,89.725 ; D10.2@87.15,88.85 87.15,89.225 87.675,89.75 89.825,89.75 90.73,90.655 D11.4@90.73,92.625 ; D10.2@87.25,89.625 87.15,89.725 79.8,89.725 ; 60.5,89.725 70,89.725 ; 70,89.725 79.8,89.725
  Bottom Layer w0.5: D9.2@41.4,93.5 51.2,93.5 v1(55.2,89.5)
  Bottom Layer w1.4: CN3.6@9.75,26.25 14.825,31.325 14.825,92.65 14.825,92.675 14.647,92.853
  Bottom Layer w1.5: D8.2@12.475,93.425 12.494,93.406 14.094,93.406 14.647,92.853 ; 14.725,92.75 14.825,92.65 15.925,91.55 20.2,91.55 22.15,93.5 22.295,93.5 24.37,91.425 29.53,91.425 31.605,93.5 31.895,93.5 34.045,91.35 39.105,91.35 41.255,93.5 D9.2@41.4,93.5
VCC-RELAY-OUT: C13.1 C14.1 C16.2 C19.2 D4.1 D4.6 D9.1 D9.6 M3.7 M3.8 M4.7 M4.8 R6.2 | length 89
  Top Layer w0.5: R6.2@32.8,57.55 32.806,57.556 34.894,57.556 v1(34.9,57.563) ; v1(34.9,54.715) 40.722,54.715 40.76,54.753 41.253,54.753 v1@41.4,54.9
  Top Layer w1: M3.7@48.25,8.95 M3.8@48.25,6.41 48.25,2.811 48.05,2.611 48.05,2.05 C13.1@48,2 C16.2@49.85,2 ; M4.7@48.25,30.925 M4.8@48.25,28.385 48.75,27.885 48.75,24.75 48.15,24.15 C19.2@48.15,24 C14.1@51.35,24
  Bottom Layer w0.5: v1(34.9,54.715) v1(34.9,57.563)
  Bottom Layer w1.7: D9.6@36.4,85.9 41.4,85.9 D9.1@41.4,85.875 41.4,54.9 41.4,42.9 48.416,35.791
  other v1: 41.4,54.715
pads on no net: CN3.2 CN3.Z CN4.4 CN4.Z D8.4 D9.4 D15.4 D18.4 M1.11 M1.19 M1.20 M1.30 M1.35 M1.37 M1.40 M1.41 M1.43 R37.2
copper on no net:
  other v2: 48.75,55.55 95.75,55.55 48.75,66.95 95.75,66.95

## Polygon pours and split planes (outlines as drawn)
GND on Top Layer "GND_L01_P006" (solid, pour order 6): 0,0 0,99.999 100,99.999 100,0
VCC-IN on Top Layer "VCC-IN_L01_P002" (solid, pour order 2): 8.725,27.175 10.087,27.175 12.703,24.35 19.2,24.35 25.212,21.213 25.212,14.325 21.55,11.125 21.525,11.15 14.6,11.15 13.325,9.875 13.325,7.975 9.175,7.975 8.237,8.912 8.237,9.875 11.825,14.05 17.775,14.05 18.225,14.05 18.9,14.9 18.9,15.8 18.9,18.3 17.579,19.225 12.595,19.225 8.725,21.6
ACC-IN on Top Layer "ACC-IN_L01_P000" (solid, pour order 0): 8.225,27.175 8.225,11.025 7.675,10.363 7.675,8.597 10.425,5.572 10.425,3.075 6.5,3.075 4.65,5.2 4.65,7.45 4.175,7.45 3.775,7.85 1.125,7.85 1.125,21.75 5.25,27.175
GND on Bottom Layer "GND_L02_P005" (solid, remove dead copper, pour order 5): 0,100 100,100 100,0 0,0
VCC-RELAY-OUT on Bottom Layer "VCC-RELAY-OUT_L02_P004" (solid, pour order 4): 17.8,10.8 17.8,4.1 18.675,3.225 18.7,3.25 50,3.25 54.975,8.947 54.975,21.516 54.975,30.425 48.5,36.9 46.1,36.9 46.1,28.225 50.55,23.775 50.55,11.7 49.65,10.8 17.875,10.8

## Silkscreen, mask and mechanical layers (free items; w line width, h text height)
Top Overlay:
  region: 803 vertices and 9 holes, not listed, extent 47.98,90.374 51.89,96.873
  text "made in" at 46.754,88.754 h1
  text "Ukraine" at 46.754,86.854 h1
  text "AC Compressor" at 5.854,85.865 h1.52 r90.87
  text "Heater Valve" at 24.909,85.865 h1.52 r90.87
  text "Cycle Air" at 34.489,85.865 h1.52 r90.87
  text "Rear Window Heat" at 15.334,85.85 h1.52 r89.58
  text "Rear Window Heat" at 76.125,81.136 h1.52 r0.1
  text "Cycle Air" at 59.827,81.011 h1.52 r359.56
  text "AC Compressor" at 88.701,79.746 h1.52 r359.78
  text "Heater Valve" at 67.45,79.641 h1.52 r0.06
  text "AC Controller v 1.1" at 24.654,78.754 h1
  text "Designed by O.Shpergl" at 21.454,75.987 h1
  text "Left Seat Heat" at 16.925,42.017 h1.52 r0.06
  text "Right Seat Heat" at 16.7,24.611 h1.52 r0.06
  text "5v" at 67.35,23.347 h2
  text "6v" at 67.325,1.272 h2
Top Solder:
  lines w1.8: 9.75,29.25 11.95,27.1 15.125,27.1 ; 9.75,32.25 10.5,32.275 13.4,29.375 ; 9.75,38.25 11.45,38.25 11.6,38.25 11.85,38 21.5,38 ; 10.05,35.575 15.25,35.575 ; 11.7,38 11.8,38 ; 13.325,29.4 18.65,29.4
Board:
  the board outline again, w0.2

## Text inside footprints (layer, text, board x,y; h text height)
M2: Top Overlay "INT" at 77.4,10.6 h1.52 r90; Top Overlay "SCK" at 79.783,10.5 h1.52 r90; Top Overlay "SI" at 82.383,10.5 h1.52 r90; Top Overlay "SO" at 84.883,10.5 h1.52 r90; Top Overlay "CS" at 87.483,10.5 h1.52 r90; Top Overlay "GND" at 89.983,10.5 h1.52 r90; Top Overlay "VCC" at 92.683,10.501 h1.52 r90; Top Overlay "CAN_H" at 79.5,39.771 h1.52; Top Overlay "CAN_L" at 84.8,39.771 h1.52
M3: Top Overlay "IN +" at 54.071,7.056 h1 r180; Top Overlay "IN +" at 54.071,9.606 h1 r180; Top Overlay "IN -" at 54.046,17.656 h1 r180; Top Overlay "IN -" at 54.046,20.306 h1 r180; Top Overlay "OUT +" at 64.746,7.031 h1 r180; Top Overlay "OUT +" at 64.746,9.581 h1 r180; Top Overlay "OUT -" at 64.721,17.631 h1 r180; Top Overlay "OUT -" at 64.721,20.281 h1 r180
M4: Top Overlay "OUT -" at 64.721,42.256 h1 r180; Top Overlay "OUT -" at 64.721,39.606 h1 r180; Top Overlay "OUT +" at 64.746,31.556 h1 r180; Top Overlay "OUT +" at 64.746,29.006 h1 r180; Top Overlay "IN -" at 54.046,42.281 h1 r180; Top Overlay "IN -" at 54.046,39.631 h1 r180; Top Overlay "IN +" at 54.071,31.581 h1 r180; Top Overlay "IN +" at 54.071,29.031 h1 r180